# Altium PCB DigitalLabBoard - Save.PcbDoc (part 1 of 2) (continued)
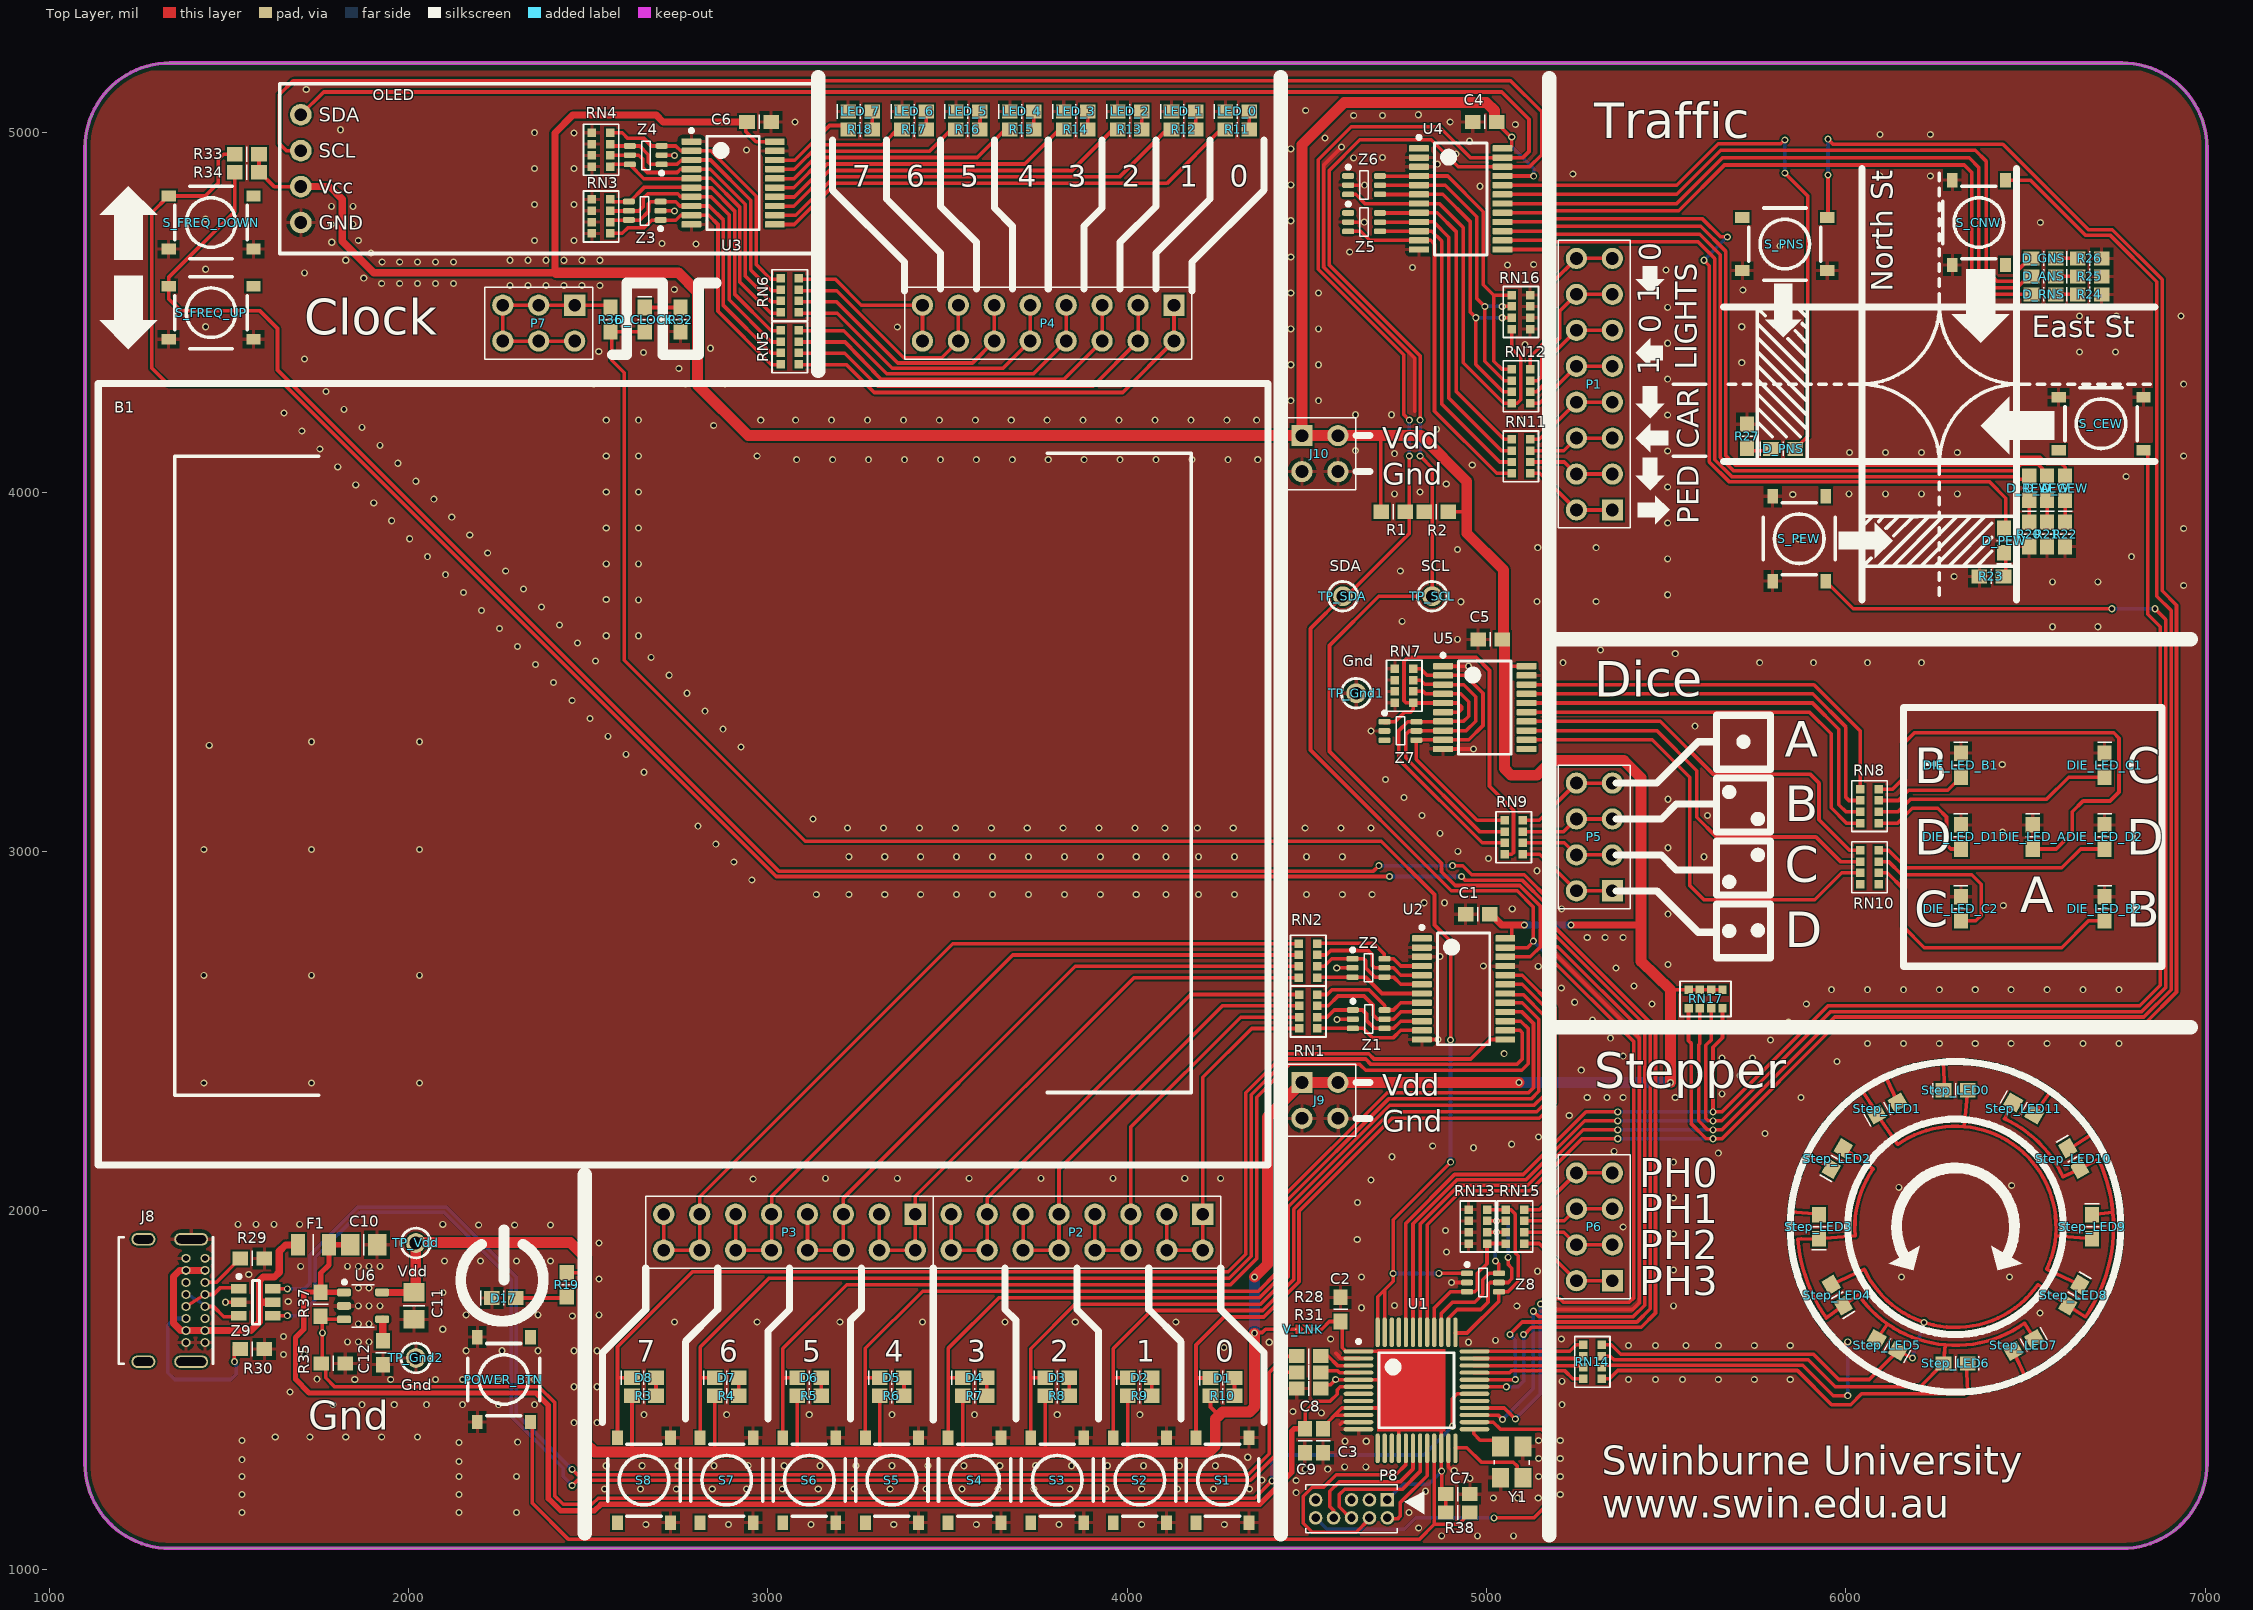
[diagram p0: Top Layer view]
## Components (designator, comment, footprint, x,y, rotation, side; value= is the part's Value field where it differs from the comment) (continued)
S_CEW "SMD-SW-4_5.1x5.1x2.0" SMD-SW-4_5.1x5.1x2.0 6710,4190 r180 top
S_CNW "SMD-SW-4_5.1x5.1x2.0" SMD-SW-4_5.1x5.1x2.0 6370,4750 r270 top
S_FREQ_DOWN "SMD-SW-4_5.1x5.1x3.5" SMD-SW-4_5.1x5.1x3.5 1450,4750 r180 top
S_FREQ_UP "SMD-SW-4_5.1x5.1x3.5" SMD-SW-4_5.1x5.1x3.5 1450,4499.06 r180 top
S_PEW "SMD-SW-4_5.1x5.1x2.0" SMD-SW-4_5.1x5.1x2.0 5870,3870 r90 top
S_PNS "SMD-SW-4_5.1x5.1x2.0" SMD-SW-4_5.1x5.1x2.0 5830,4690 r0 top
Step_LED0 "LED Red" LED1608-0603-RED 6305,2335 r180 top
Step_LED1 "LED Red" LED1608-0603-RED 6115,2284.09 r210 top
Step_LED2 "LED Red" LED1608-0603-RED 5975.91,2145 r240 top
Step_LED3 "LED Red" LED1608-0603-RED 5925,1955 r270 top
Step_LED4 "LED Red" LED1608-0603-RED 5975.91,1765 r300 top
Step_LED5 "LED Red" LED1608-0603-RED 6115,1625.91 r330 top
Step_LED6 "LED Red" LED1608-0603-RED 6305,1575 r0 top
Step_LED7 "LED Red" LED1608-0603-RED 6495,1625.91 r30 top
Step_LED8 "LED Red" LED1608-0603-RED 6634.09,1765 r60 top
Step_LED9 "LED Red" LED1608-0603-RED 6685,1955 r90 top
Step_LED10 "LED Red" LED1608-0603-RED 6634.09,2145 r120 top
Step_LED11 "LED Red" LED1608-0603-RED 6495,2284.09 r150 top
TP_Gnd1 "Gnd" "PCBPIN - 0.9mm" 4637.22,3440 r90 top
TP_Gnd2 "Gnd" "PCBPIN - 0.9mm" 2020,1590 r0 top
TP_SCL "SCL" "PCBPIN - 0.9mm" 4848.78,3710 r90 top
TP_SDA "SDA" "PCBPIN - 0.9mm" 4600,3710 r90 top
TP_Vdd "Vdd" "PCBPIN - 0.9mm" 2020,1910 r90 top
U1 "MK20DX128VLF5" TSQFP50P900X900-48M 4805,1500 r0 top locked
U2 "PCA9555PW,118" TSSOP24_N 4936,2617 r270 top
U3 "74HC541PW,118" TSSOP20_N 2903,4860 r270 top
U4 "PCA9555PW,118" TSSOP24_N 4928,4815.55 r270 top
U5 "74HC541PW,118" TSSOP20_N 4995,3400 r270 top
U6 "SPX3819M5-L-3-3/TR" SOT23-5 1873.15,1735 r270 top
V_LNK "LinkOpen" SOLDERBRIDGE(OPEN) 4490,1670 r0 top
Y1 "16 MHz" Crystal_SMD_3.2x2.5 5070,1300 r90 top
Z1 "SMF05CT1G" SC70_N 4672,2532.82 r0 top
Z2 "SMF05CT1G" SC70_N 4671.29,2675.59 r0 top
Z3 "SMF05CT1G" SC70_N 2657,4782.76 r180 top
Z4 "SMF05CT1G" SC70_N 2660,4937.48 r180 top
Z5 "SMF05CT1G" SC70_N 4659,4751 r0 top
Z6 "SMF05CT1G" SC70_N 4659,4854 r0 top
Z7 "SMF05CT1G" SC70_N 4760,3335 r0 top
Z8 "SMF05CT1G" SC70_N 4990,1800 r0 top
Z9 "USBLC6-2SC6" SOT23-6_N 1575,1745 r0 top

## Footprints (in the part's own frame and the unit in brackets; to place one, negate y for a bottom-side part, rotate by r counter-clockwise, add the part's x,y. Pads: shape width x height; smd on the part's side, far side on the other; paste and mask are expansions set on the pad)
BCS-102-L-D-TE [mm] "Connector; Header; 2x2 Position; Straight"
  rect 1.5x1.5 hole 0.9: 1(0,0)
  round 1.5 hole 0.9: 2(0,2.54) 3(2.54,0) 4(2.54,2.54)
  silkscreen extent -1.27,-1.27 3.81,3.81, body extent -1.27,-1.27 3.81,3.81, height 7.37
"BREADBOARD - 300 HOLES" [mil] "Breadboard - 300 holes"
  silkscreen extent -1625,-1075 1630,1100, body extent -1625,-1070 1625,1100, height 355
BUMPER_RBS-2 [mil] "Plastic bumper/foot"
  silkscreen extent -215,-215 214,215, body extent -219,-219 219,219, height 201
CCNP1608-0603 [mm]
  rect 1.1x1 smd: 1(-0.85,0) 2(0.85,0)
  silkscreen extent 0,-0.5 0,0.5, body extent -0.8,-0.4 0.8,0.4, height 0.3
CCNP2012-0805 [mm]
  rect 1.3x1.5 smd: 1(-0.95,0) 2(0.95,0)
  silkscreen extent 0,-0.75 0,0.75, body extent -1,-0.62 1,0.63, height 0.78
CR1206-0603_X4 [mm] "SMT 0603 x 4 Ceramic resistor array (1206)"
  rect 0.6x0.6 smd: 1(0,0) 2(0.8,0) 3(1.6,0) 4(2.4,0) 5(2.4,1.3) 6(1.6,1.3) 7(0.8,1.3) 8(0,1.3)
  silkscreen extent -0.6,-0.6 3,1.9, body extent -0.38,-0.17 2.82,1.43, height 0.5
CR1608-0603 [mm]
  rect 1.1x1 smd: 1(-0.85,0) 2(0.85,0)
  silkscreen extent 0,-0.53 0,0.53, body extent -0.85,-0.4 0.85,0.4, height 0.56
Crystal_SMD_3.2x2.5 [mm] "Crystal SMT low profile 3.2 x 2.5 SMD"
  rect 1.4x1.2 smd: 1(-1.1,-0.8) 2(1.1,-0.8) 3(1.1,0.8) 4(-1.1,0.8)
  silkscreen extent -0.17,-1.25 0.15,1.25, body extent -1.55,-1.24 1.65,1.26, height 0.7
HDR2X3S [mm] "Connector; Header; 2x3 Position; Straight"
  rect 1.5x1.5 hole 0.9: 1(0,0)
  round 1.5 hole 0.9: 2(0,2.54) 3(2.54,0) 4(2.54,2.54) 5(5.08,0) 6(5.08,2.54)
  silkscreen extent -1.27,-1.27 6.35,3.81, body extent -1.27,-1.27 6.35,3.81, height 6
HDR2X4S [mm] "Connector; Header; 2x4 Position; Straight"
  rect 1.5x1.5 hole 0.9: 1(0,0)
  round 1.5 hole 0.9: 2(0,2.54) 3(2.54,0) 4(2.54,2.54) 5(5.08,0) 6(5.08,2.54) 7(7.62,0) 8(7.62,2.54)
  silkscreen extent -1.27,-1.27 8.89,3.81, body extent -1.27,-1.27 8.89,3.81, height 6
HDR2X8S [mm] "Connector; Header; 2x8 Position; Straight"
  rect 1.5x1.5 hole 0.9: 1(0,0)
  round 1.5 hole 0.9: 2(0,2.54) 3(2.54,0) 4(2.54,2.54) 5(5.08,0) 6(5.08,2.54) 7(7.62,0) 8(7.62,2.54) 9(10.16,0) 10(10.16,2.54) 11(12.7,0) 12(12.7,2.54) 13(15.24,0) 14(15.24,2.54) 15(17.78,0) 16(17.78,2.54)
  silkscreen extent -1.27,-1.27 19.05,3.81, body extent -1.27,-1.27 19.05,3.81, height 6
LED1608-0603-GREEN [mm] "SMT-LED 0603"
  rect 1.1x1 smd: A(-0.85,0) K(0.85,0)
  silkscreen extent 0,-0.5 1.62,0.5, body extent -0.8,-0.4 0.8,0.4, height 0.7
LED1608-0603-RED [mm] "SMT-LED 0603"
  rect 1.1x1 smd: A(-0.85,0) K(0.85,0)
  silkscreen extent 0,-0.5 1.62,0.5, body extent -0.8,-0.4 0.8,0.4, height 0.7
LED1608-0603-YELLOW [mm] "SMT-LED 0603"
  rect 1.1x1 smd: A(-0.85,0) K(0.85,0)
  silkscreen extent 0,-0.5 1.62,0.5, body extent -0.8,-0.4 0.8,0.4, height 0.7
OLED_Display_128x32 [mil] "Small OLED Display"
  round 60 hole 35.43: 1(0,-300) 2(0,-200) 3(0,-100) 4(0,0)
  silkscreen extent -59,-386 1437,86, body extent -61,-388 1437,86, height 157
OSHW [mil] "OSHW Logo"
"PCBPIN - 0.9mm" [mm]
  round 1.4 hole 0.9: 1(0,0)
  silkscreen extent -1.05,-1.05 1.05,1.05, body extent -1.27,-1.27 1.27,1.27, height 6
SC70_N [mm] "SC70, 6-Leads, Body 2.15x1.4mm, Pitch 0.65mm, IPC Medium Density"
  rrect50% 0.85x0.4 smd: 1(-1.125,0.65) 2(-1.125,0) 3(-1.125,-0.65) 4(1.125,-0.65) 5(1.125,0) 6(1.125,0.65)
  silkscreen extent -1.24,-0.99 0.3,1.39, body extent -1.2,-1.1 1.2,1.1, height 1.1
SMD0805-050 [mm]
  rect 1x1.5 smd: 1(-1.1,0) 2(1.1,0)
  silkscreen extent 0,-0.75 0,0.75, body extent -1.05,-0.68 1.05,0.68, height 0.61
SMD-SW-4_5.1x5.1x2.0 [mil] "Miniature SMD PCB Push Button - C318888"
  rect 40x30 smd: 1(118.11,-73.82) 1b(-118.11,-73.82) 2(118.11,73.82) 2b(-118.11,73.82)
  silkscreen extent -100,-100 100,100, body extent -126,-104 126,104, height 79
SMD-SW-4_5.1x5.1x3.5 [mil] "Miniature SMD PCB Push Button - C318886"
  rect 40x30 smd: 1(118.11,-73.82) 1b(-118.11,-73.82) 2(118.11,73.82) 2b(-118.11,73.82)
  silkscreen extent -100,-100 100,100, body extent -126,-104 126,104, height 138
SOLDERBRIDGE(OPEN) [mil]
  round 5 smd paste-5 mask+0: 1(-21,0) 2(21,0)
  Top Layer region: -21,13 -12,13 1,0 -12,-13 -21,-13
  Top Layer region: -2.5,13 10.5,0 -2.5,-13 21,-13 21,13
SOT23-5 [mm] "SOT-23; 5 Leads; Body 3.0 x 2.3 mm, inc. leads (LxW max)"
  rrect50% 0.55x1 smd: 1(-0.95,-1.35) 2(0,-1.35) 3(0.95,-1.35) 4(0.95,1.35) 5(-0.95,1.35)
  silkscreen extent -1.8,-1.45 1.5,0.8, body extent -1.5,-1.5 1.5,1.5, height 1.45
SOT23-6_N [mm] "SOT23, 6-Leads, Body 2.9x1.6mm, Pitch 0.95mm, Lead Span 2.7mm, IPC Medium Density"
  rect 1.1x0.65 smd: 1(-1.2,0.95) 2(-1.2,0) 3(-1.2,-0.95) 4(1.2,-0.95) 5(1.2,0) 6(1.2,0.95)
  silkscreen extent -1.32,-1.55 0.25,1.95, body extent -1.4,-1.45 1.4,1.45, height 1.45
SWD-2X5 [mm] "Connector; SWD; 2x5 Position"
  rect 0.96x0.96 hole 0.6: 1(0,0)
  round 0.96 hole 0.6: 2(0,1.27) 3(1.27,0) 4(1.27,1.27) 5(2.54,0) 6(2.54,1.27) 8(3.81,1.27) 9(5.08,0) 10(5.08,1.27)
  silkscreen extent -2.6,-1.06 5.77,2.33, body extent -0.63,-1.09 5.72,2.31, height 4.5
TSQFP50P900X900-48M [mm] "Thin QFP, 48-Leads, Body 7x7mm, Pitch 0.5mm, IPC Low Density"
  oval 2.1x0.3 smd: 1(-4.1,2.75) 2(-4.1,2.25) 3(-4.1,1.75) 4(-4.1,1.25) 5(-4.1,0.75) 6(-4.1,0.25) 7(-4.1,-0.25) 8(-4.1,-0.75) 9(-4.1,-1.25) 10(-4.1,-1.75) 11(-4.1,-2.25) 12(-4.1,-2.75) 25(4.1,-2.75) 26(4.1,-2.25) 27(4.1,-1.75) 28(4.1,-1.25) 29(4.1,-0.75) 30(4.1,-0.25) 31(4.1,0.25) 32(4.1,0.75) 33(4.1,1.25) 34(4.1,1.75) 35(4.1,2.25) 36(4.1,2.75)
  oval 0.3x2.1 smd: 13(-2.75,-4.1) 14(-2.25,-4.1) 15(-1.75,-4.1) 16(-1.25,-4.1) 17(-0.75,-4.1) 18(-0.25,-4.1) 19(0.25,-4.1) 20(0.75,-4.1) 21(1.25,-4.1) 22(1.75,-4.1) 23(2.25,-4.1) 24(2.75,-4.1) 37(2.75,4.1) 38(2.25,4.1) 39(1.75,4.1) 40(1.25,4.1) 41(0.75,4.1) 42(0.25,4.1) 43(-0.25,4.1) 44(-0.75,4.1) 45(-1.25,4.1) 46(-1.75,4.1) 47(-2.25,4.1) 48(-2.75,4.1)
  silkscreen extent -4.22,-2.65 2.65,3.57, body extent -4.55,-4.5 4.45,4.5, height 1.6
TSSOP20_N [mm] "Shrink Small Outline; 20 Leads; Body Width 4.4 mm; Pitch 0.65 mm"
  rrect22% 0.45x1.4 smd: 1(-2.925,-2.95) 2(-2.275,-2.95) 3(-1.625,-2.95) 4(-0.975,-2.95) 5(-0.325,-2.95) 6(0.325,-2.95) 7(0.975,-2.95) 8(1.625,-2.95) 9(2.275,-2.95) 10(2.925,-2.95) 11(2.925,2.95) 12(2.275,2.95) 13(1.625,2.95) 14(0.975,2.95) 15(0.325,2.95) 16(-0.325,2.95) 17(-0.975,2.95) 18(-1.625,2.95) 19(-2.275,2.95) 20(-2.925,2.95)
  silkscreen extent -3.82,-3.07 3.3,1.85, body extent -3.3,-3.3 3.3,3.3, height 1.2
TSSOP24_N [mm] "Shrink Small Outline; 24 Leads; Body Width 4.4 mm; Pitch 0.65 mm"
  rrect22% 0.45x1.4 smd: 1(-3.575,-2.95) 2(-2.925,-2.95) 3(-2.275,-2.95) 4(-1.625,-2.95) 5(-0.975,-2.95) 6(-0.325,-2.95) 7(0.325,-2.95) 8(0.975,-2.95) 9(1.625,-2.95) 10(2.275,-2.95) 11(2.925,-2.95) 12(3.575,-2.95) 13(3.575,2.95) 14(2.925,2.95) 15(2.275,2.95) 16(1.625,2.95) 17(0.975,2.95) 18(0.325,2.95) 19(-0.325,2.95) 20(-0.975,2.95) 21(-1.625,2.95) 22(-2.275,2.95) 23(-2.925,2.95) 24(-3.575,2.95)
  silkscreen extent -4.47,-3.07 3.95,1.85, body extent -3.95,-3.28 3.95,3.28, height 1.2
USB4085-GF-A [mm] "USB-C Connector"
  oval 0.65x0.62 hole 0.4: A1(4.025,2.975) A4(4.025,2.125) A5(4.025,1.275) A6(4.025,0.425) A7(4.025,-0.425) A8(4.025,-1.275) A9(4.025,-2.125) A12(4.025,-2.975) B1(2.675,-2.975) B4(2.675,-2.125) B5(2.675,-1.275) B6(2.675,-0.425) B7(2.675,0.425) B8(2.675,1.275) B9(2.675,2.125) B12(2.675,2.975)
  oval 2.4x0.9 hole 0.6 slot 2.1 at 0 deg: P1(3.045,4.325) P2(3.045,-4.325)
  oval 1.7x0.9 hole 0.6 slot 1.4 at 0 deg: P3(-0.335,-4.325) P4(-0.335,4.325)
  silkscreen extent -2.07,-4.47 4.58,4.47, body extent -4.56,-4.52 4.61,4.51, height 3.46

## Part data
B1: library part "Breadboard - 300 holes"
C1 C2 C3 C4 C5 C6 C7: library part Cap_CCNP_0603, "Capacitor non-polar SMT 0603", LCSC=C14663, Manufacturer="Generic Components", Class=Passive, Published=08/06/2000, Publisher="Altium Hobart Technology Centre", SubClass=Capacitor
C8: library part Cap, "Capacitor", LCSC=C23630, Manufacturer="Generic Components", Class=Passive, Published=08/06/2000, Publisher="Altium Hobart Technology Centre", SubClass=Capacitor
C9: library part Cap, "Capacitor", LCSC=C15849, Manufacturer="Generic Components", Class=Passive, Published=08/06/2000, Publisher="Altium Hobart Technology Centre", SubClass=Capacitor
C10 C11: library part Cap, "Capacitor", LCSC=C15850, Manufacturer="Generic Components", Class=Passive, Published=08/06/2000, Publisher="Altium Hobart Technology Centre", SubClass=Capacitor
C12: library part Cap, "Capacitor", LCSC=C57112, Manufacturer="Generic Components", Class=Passive, Published=08/06/2000, Publisher="Altium Hobart Technology Centre", SubClass=Capacitor
D1 D2 D3 D4 D5 D6 D7 D8 D17 D_CLOCK D_REW D_RNS DIE_LED_A DIE_LED_B1 DIE_LED_B2 DIE_LED_C1 DIE_LED_C2 DIE_LED_D1 DIE_LED_D2 LED_0 LED_1 LED_2 LED_3 LED_4 LED_5 LED_6 LED_7 Step_LED0 Step_LED1 Step_LED2 Step_LED3 Step_LED4 Step_LED5 Step_LED6 Step_LED7 Step_LED8 Step_LED9 Step_LED10 Step_LED11: library part LED-0603-Red, "LED 0603 Red", LCSC=C2286, Manufacturer="Generic Components", Class I=Optoelectronic, Class II=LED, Farnell PN=1581239, Published=8-Jun-2000, Publisher="Altium Limited", Revision="July-2002: Re-released for DXP Platform."
D_AEW D_ANS: library part LED-0603-Yellow, "LED 0603 Yellow", LCSC=C72038, Manufacturer="Generic Components", Class I=Optoelectronic, Class II=LED, Farnell PN=5790852, Published=8-Jun-2000, Publisher="Altium Limited", Revision="July-2002: Re-released for DXP Platform."
D_GEW D_GNS D_PEW D_PNS: library part LED-0603-Green, "LED 0603 Green", LCSC=C72043, Manufacturer="Generic Components", Class I=Optoelectronic, Class II=LED, Farnell PN=1581242, Published=8-Jun-2000, Publisher="Altium Limited", Revision="July-2002: Re-released for DXP Platform."
F1: "PTC Resetable Fuse 0805 0.5A hold", LCSC=C66452
J8: "USB-C, USB 2.0 Receptacle Connector 16 Position Through Hole, Right Angle", Digikey Part Number=2073-USB4085-GF-ACT-ND, Angle=90, Digikey=2073-USB4085-GF-ACT-ND, Digikey Link=https://www.digikey.ee/product-detail/en/gct/USB4085-GF-A/2073-USB4085-GF-ACT-ND/9859733, Farnell PN=2924867, Part Number=USB4085-GF-A
J9 J10: library part "Header Female 2x2S", "Header, Female, 2x2-Pin"
M5 M6 M7 M8 M9: library part Mounting_Feet, "Plastic bumper/foot", Digikey=RPC4821-ND
OLED: "OLED Display 128x32 pixels, I2C interface"
P8: library part SWD2X5, Farnell PN=1865285, LatestRevisionDate=17-Jul-2002, LatestRevisionNote="Re-released for DXP Platform.", Publisher="Altium Limited"
POWER_BTN S_FREQ_DOWN S_FREQ_UP: library part SW_PB-TS, "Tactile Switch SPST 5.10mm X 5.10mm", LCSC=C318886, Revision=1.0
R1 R2: library part Res_CR0603, "Resistor SMT 0603", LCSC=C23162, Manufacturer="Generic Components", Class=Passive, Published=08/06/2000, Publisher="Altium Hobart Technology Centre", SubClass=Resistor
R3 R4 R5 R6 R7 R8 R9 R10 R11 R12 R13 R14 R15 R16 R17 R18 R19 R20 R22 R23 R24 R26 R27 R32: library part Res_CR0603, "Resistor SMT 0603", LCSC=C21190, Manufacturer="Generic Components", Class=Passive, Published=08/06/2000, Publisher="Altium Hobart Technology Centre", SubClass=Resistor
R21 R25: library part Res_CR0603, "Resistor SMT 0603", LCSC=C23204, Manufacturer="Generic Components", Class=Passive, Published=08/06/2000, Publisher="Altium Hobart Technology Centre", SubClass=Resistor
R28 R31: library part Res_CR0603, "Resistor SMT 0603", LCSC=C23140, Manufacturer="Generic Components", Class=Passive, Published=08/06/2000, Publisher="Altium Hobart Technology Centre", SubClass=Resistor
R29 R30: library part Res_CR0603, "Resistor SMT 0603", LCSC=C23186, Manufacturer="Generic Components", Class=Passive, Published=08/06/2000, Publisher="Altium Hobart Technology Centre", SubClass=Resistor
R33 R34 R37 R38: library part Res_CR0603, "Resistor SMT 0603", LCSC=C25804, Manufacturer="Generic Components", Class=Passive, Published=08/06/2000, Publisher="Altium Hobart Technology Centre", SubClass=Resistor
R35: library part Res_CR0603, "Resistor SMT 0603", LCSC=C22809, Manufacturer="Generic Components", Class=Passive, Published=08/06/2000, Publisher="Altium Hobart Technology Centre", SubClass=Resistor
R36: library part Res_CR0603, "Resistor SMT 0603", LCSC=C22775, Manufacturer="Generic Components", Class=Passive, Published=08/06/2000, Publisher="Altium Hobart Technology Centre", SubClass=Resistor
RN1 RN2 RN5 RN6 RN9 RN11 RN12 RN14 RN15: library part Res_CR0603x4, "SMT x4 Resistor Array", LCSC=C25510, Class=Passive, SubClass="Resistor Array"
RN3 RN4 RN7 RN13 RN16 RN17: library part Res_CR0603x4, "SMT x4 Resistor Array", LCSC=C29718, Class=Passive, SubClass="Resistor Array"
RN8 RN10: library part Res_CR0603x4, "SMT x4 Resistor Array", LCSC=C20197, Class=Passive, SubClass="Resistor Array"
S1 S2 S3 S4 S5 S6 S7 S8 S_CEW S_CNW S_PEW S_PNS: library part SW_PB-TS, "Tactile Switch SPST 5.10mm X 5.10mm", LCSC=C318888, Revision=1.0
TP_Gnd1 TP_Gnd2 TP_SCL TP_SDA TP_Vdd: library part TP, "Test Point"
U1: "Kinetis K20: 50MHz Cortex-M4 Performance MCU, 160KB Flash, 16KB SRAM, Full-Speed USB, 48-LQFP", Digikey=MK20DX128VLF50-ND, Farnell PN=2133571, Mouser=841-MK20DX128VLF5
U2 U4: "16-bit I2C I/O Expander (TSSOP24)", LCSC=C128392, Digikey=568-1058-1-ND, Farnell PN=2101299
U3 U5: "Octal 3-State Buffer/Line Driver/LineReceiver", LCSC=C5657, Digikey=1727-5960-1-ND, Farnell PN=2444902
U6: "3.3V LDO with enable", LCSC=C9055, Digikey=1016-1873-1-ND, Farnell PN=2889625
Y1: library part "Crystal 16MHz", "Crystal SMD 3.2 x 2.5 x 0.7 mm", LCSC=C13738, Manufacturer="Generic Components", Class=Oscillator, Published=08/06/2000, Publisher="Altium Hobart Technology Centre", SubClass="Crystal Oscillator"
Z1 Z2 Z3 Z4 Z5 Z6 Z7 Z8: "TVS DIODE ARRAY, 100W, 5V, SC-70", LCSC=C15879, Digikey=SMF05CT1GOSCT-ND, Farnell PN=2533147
Z9: "TVS diode array for USB", LCSC=C7519, Digikey=497-5235-1-ND, Farnell PN=1269406

## Via types
v1: diameter 19.68, hole 11.81, Top Layer to Bottom Layer, tented both sides, 694 vias

## Nets (pads, with @x,y where several pads share a name; then routed paths per layer and width w, separated by ;. In a path a pad name is that pad's centre, name@x,y a point inside that pad or via, vN(x,y) a via of type N, cw(c..) or ccw(c..) an arc to the next point about the centre after c; other vN are vias at no path point)
5V: F1.1 J8.A4 J8.A9 J8.B4 J8.B9 Z9.5 | length 809.8
  Top Layer w20: J8.A4@1433.46,1833.66 J8.B9@1380.32,1833.66 1362.32,1833.66 1345.74,1817.08 1345.74,1686.55 1365.95,1666.34 J8.B4@1380.32,1666.34 J8.A9@1433.46,1666.34 1561.34,1666.34 1585,1690 1585,1805 1595,1815 1626.32,1815 1640,1828.68 1640,1887.19 1657.47,1904.66 ; 1590,1745 Z9.5@1622.24,1745 ; 1662.47,1904.66 1690,1904.66 1691.69,1902.97 F1.1@1691.69,1905
5V_Fused: C9.2 C10.2 F1.2 R37.2 U1.6 U6.1 | length 4068.1
  Top Layer w10: C9.2@4495,1393.46 4495,1440 4525,1470 4565,1470 4584,1489 4584,1501 4592.84,1509.84 U1.6@4643.58,1509.84
  Top Layer w15: R37.2@1755,1773.46 1708.46,1773.46 1708.46,1670 1685,1646.54 1685,1530.97 1723.31,1492.66 2354.67,1492.66 2389.04,1458.29 2389.04,1198.72 2422.75,1165 2517.25,1165 2534.75,1182.5 4368.58,1182.5 4457.99,1271.91 4457.99,1386.46 4465,1393.46 C9.2@4495,1393.46 ; U6.1@1820,1772.4 1761.06,1772.4 1755.12,1778.35 1755.12,1825.81 1778.31,1849 F1.2@1778.31,1905 C10.2@1837.6,1905
C_PLEX0: RN14.8 U1.33 | length 315.4
  Top Layer w10: U1.33@4964.45,1549.21 U1.33@4966.42,1549.21 5064.21,1549.21 5068.9,1553.9 5218.1,1553.9 5239.99,1532.01 RN14.8@5268.82,1532.01
C_PLEX1: RN14.7 U1.34 | length 299
  Top Layer w10: U1.34@4964.45,1568.9 U1.34@4966.42,1568.9 RN14.7@5263.43,1568.9
C_PLEX2: RN14.6 U1.35 | length 307.4
  Top Layer w10: U1.35@4964.71,1588.84 4964.45,1588.58 U1.35@4966.42,1588.58 5262.4,1588.58 RN14.6@5268.82,1595
C_PLEX3: RN14.5 U1.36 | length 311.9
  Top Layer w10: U1.36@4964.45,1608.27 U1.36@4966.42,1608.27 5231.46,1608.27 5249.69,1626.5 RN14.5@5268.82,1626.5
CAR_EW_BTN: RN17.8 S_CEW.2b U1.44 | length 4485.7
  Top Layer w10: U1.44@4775.47,1661.42 4775.47,1965.11 4910.86,2100.5 5102.35,2100.5 5276.85,2275 v1(5365,2275) ; RN17.8@5656.5,2563.82 5656.5,2481.5 5630,2455 v1(5630,2275) 5655,2275 5950,2570 6817.79,2570 6875,2627.21 6875,3625 6840,3660 6840,4104.29 S_CEW.2b@6828.11,4116.18
  Bottom Layer w10: v1(5365,2275) v1(5630,2275)
CAR_NS_BTN: RN17.6 S_CNW.2b U1.42 | length 5547
  Top Layer w10: U1.42@4814.84,1661.42 4814.84,1962.06 4923.29,2070.5 5114.77,2070.5 5269.27,2225 v1(5365,2225) ; RN17.6@5593.5,2563.82 5593.5,2464.72 5590,2461.21 5590,2250 5615,2225 v1(5630,2225) 5655,2225 5969,2539 6829.21,2539 6905,2614.79 6905,3670 6865,3710 6865,4585 6735,4715 6666,4715 6512.89,4868.11 S_CNW.2b@6448.82,4868.11
  Bottom Layer w10: v1(5365,2225) v1(5630,2225)
CLOCK: D_CLOCK.A R36.2 U1.47 U1.48 Z8.1 | length 5199.6
  Top Layer w10: R36.2@2562,4446.54 R36.2@2565.54,4446.54 ; D_CLOCK.A@2657,4446.54 R36.2@2565.54,4446.54 ; U1.48@4696.73,1659.45 U1.48@4696.73,1661.42 4696.73,1760.32 4716.42,1780 ; U1.47@4716.42,1659.45 U1.47@4716.42,1661.42 4716.42,1780 ; v1(4867,1825.59) Z8.1@4945.71,1825.59 ; v1(4899.41,2475) 4900,2475.59 4900,2750 4855,2795 4855,2880 4707,3028 3104,3028 2600,3532 2600,4332 2565.54,4366.46 R36.2@2565.54,4446.54 ; v1(4900,2135) 4740,1975 v1(4740,1825) 4740,1803.58 4716.42,1780
  Bottom Layer w10: v1(4740,1825) 4865.59,1825 4866.59,1826 v1(4867,1825.59) ; v1(4899.41,2475) 4899.41,2135.59 v1(4900,2135)
CP_0: RN14.1 Step_LED0.K Step_LED1.A Step_LED6.K Step_LED7.A Step_LED10.K Step_LED11.A | length 3167.5
  Top Layer w10: RN14.1@5320,1532.01 5341.81,1532.01 5364.8,1555 5865,1555 5960,1460 6013.54,1460 6043.54,1490 6332.55,1490 6338.61,1496.06 ; Step_LED1.A@6143.98,2300.82 6110.77,2372.15 cw(c6305,1955) 6271.39,2413.94 ; Step_LED0.K@6275.54,2335.21 6271.39,2413.94 ; Step_LED6.K@6334.46,1574.79 6338.61,1496.06 ; Step_LED7.A@6466.02,1609.18 6499.23,1537.85 ; Step_LED11.A@6523.98,2267.36 6569.15,2331.78 ; Step_LED10.K@6619.54,2170.62 6685.65,2213.57 ; 6271.39,2413.94 cw(c6305,1955) 6685.65,2213.57 ; 6338.61,1496.06 ccw(c6305,1955) 6685.65,2213.57
CP_1: RN14.2 Step_LED0.A Step_LED1.K Step_LED2.K Step_LED3.A Step_LED8.K Step_LED9.A | length 3112.8
  Top Layer w10: RN14.2@5320,1563.5 5326.5,1570 5880,1570 5965,1485 v1(6005,1485) ; 5846.63,1997.37 5846.79,1997.35 ; Step_LED3.A@5925,1990.46 5846.79,1997.35 ; Step_LED2.K@5961,2119.59 5890.74,2155.36 ; v1(6005,1635) 5990.08,1620.08 5990.08,1619.47 cw(c6305,1955) 5846.79,1997.35 ; Step_LED1.K@6086.02,2267.36 6144.27,2184.27 cw(c6305,1955) 6329.56,2233.92 ; Step_LED1.K@6087.38,2269.54 6045.04,2334.7 ccw(c6305,1955) 5890.74,2155.36 ; Step_LED0.A@6338.46,2335 6329.56,2233.92 ; 6605.31,1928.55 6583.92,1930.44 ; Step_LED8.K@6650.82,1793.98 6558.83,1836.81 ccw(c6305,1955) 6583.92,1930.44 ; Step_LED9.A@6685,1921.54 6583.92,1930.44 ; 5846.79,1997.35 cw(c6305,1955) 5890.74,2155.36 ; 6329.56,2233.92 cw(c6305,1955) 6583.92,1930.44
  Bottom Layer w10: v1(6005,1485) v1(6005,1635)
CP_2: RN14.3 Step_LED2.A Step_LED3.K Step_LED4.K Step_LED5.A Step_LED6.A Step_LED7.K | length 2506.4
  Top Layer w10: RN14.3@5320,1595 5344.46,1595 5354.46,1585 5895,1585 5970,1510 6206.54,1510 Step_LED6.A@6271.54,1575 6276.05,1626.27 ; 5876.15,1921.45 5866.34,1920.67 ; Step_LED2.A@5992.64,2173.98 6075.73,2115.73 ccw(c6305,1955) 6026.08,1930.44 Step_LED3.K@5925,1921.54 5866.34,1920.67 ; Step_LED5.A@6086.02,1642.64 6115.57,1684.79 ; Step_LED7.K@6525.98,1640.64 6524.38,1642.92 6497.25,1686.78 cw(c6305,1955) 6276.05,1626.27 ; 5866.34,1920.67 ccw(c6305,1955) 5945.71,1701.01 Step_LED4.K@5992.64,1736.02 6034.79,1765.57 ccw(c6305,1955) 6115.57,1684.79 ; 6115.57,1684.79 ccw(c6305,1955) 6276.05,1626.27
CP_3: RN14.4 Step_LED4.A Step_LED5.K Step_LED8.A Step_LED9.K Step_LED10.A Step_LED11.K | length 2810.3
  Top Layer w10: RN14.4@5320,1626.5 5346.89,1626.5 5373.39,1600 5910,1600 5980,1530 6064.8,1530 Step_LED5.K@6143.98,1609.18 v1(6185,1590) ; Step_LED4.A@5959.18,1793.98 6051.17,1836.81 ccw(c6305,1955) 6534.27,1794.27 Step_LED8.A@6617.36,1736.02 6666.65,1704.39 ccw(c6305,1955) 6702.69,2143.27 6650.67,2116.32 6643.62,2112.67 6604.16,2094.29 ccw(c6305,1955) 6441.43,2255.48 Step_LED11.K@6466.02,2300.82 ; Step_LED4.A@5959.81,1792.76 Step_LED4.A@5962.18,1793.98 ; Step_LED9.K@6685,1988.46 6741.34,1995.92
  Bottom Layer w10: v1(6185,1590) v1(6217.51,1688.9)
DIE_I_A: P5.7 P5.8 RN9.8 | length 291.7
  Top Layer w10: RN9.8@5101.18,3086.5 5146.5,3086.5 P5.8@5250,3190 P5.7@5350,3190
DIE_I_B: P5.5 P5.6 RN9.7 | length 263.3
  Top Layer w10: RN9.7@5101.18,3055 5215,3055 P5.6@5250,3090 P5.5@5350,3090
DIE_I_C: P5.3 P5.4 RN9.6 | length 262.7
  Top Layer w10: RN9.6@5101.18,3023.5 5216.5,3023.5 P5.4@5250,2990 P5.3@5350,2990
DIE_I_D: P5.1 P5.2 RN9.5 | length 291.1
  Top Layer w10: RN9.5@5101.18,2992.01 5147.99,2992.01 P5.2@5250,2890 P5.1@5350,2890
DIE_IR_A: RN7.4 RN9.1 U5.2 U5.9 Z7.4 | length 884
  Top Layer w10: RN7.4@4796.18,3507.99 4816.57,3507.99 4835,3489.57 4882.8,3489.57 4940.43,3489.57 4990,3440 4990,3350 4950.43,3310.43 4882.8,3310.43 4805.31,3310.43 Z7.4@4804.29,3309.41 4804.29,3255.71 4973.5,3086.5 RN9.1@5050,3086.5
DIE_IR_B: RN7.3 RN9.2 U5.3 U5.8 Z7.5 | length 896.9
  Top Layer w10: RN7.3@4796.18,3476.5 4816.5,3476.5 4827.99,3465 4881.77,3465 4882.8,3463.98 4936.02,3463.98 4970,3430 4970,3362.4 4943.62,3336.02 4882.8,3336.02 4808.06,3336.02 4807.04,3335 Z7.5@4804.29,3335 4784.29,3335 4774.56,3325.27 4774.56,3260.44 4980,3055 RN9.2@5050,3055
DIE_IR_C: RN7.2 RN9.3 U5.4 U5.7 Z7.6 | length 888.1
  Top Layer w10: RN7.2@4796.18,3445 4823.39,3445 4830,3438.39 4882.8,3438.39 4928.23,3438.39 4950,3416.61 4950,3376.02 4935.6,3361.61 4882.8,3361.61 4881.77,3360.59 Z7.6@4804.29,3360.59 4780.59,3360.59 4755,3335 4755,3256.64 4988.14,3023.5 RN9.3@5050,3023.5
DIE_IR_D: RN7.1 RN9.4 U5.5 U5.6 Z7.1 | length 1274.3
  Top Layer w10: Z7.1@4715.71,3358 Z7.1@4723.07,3358 ; Z7.1@4715.71,3360.59 4745,3360.59 4771.61,3387.2 4788.22,3387.2 4796.18,3395.17 RN7.1@4796.18,3413.5 ; U5.6@4882.8,3387.2 4921.64,3387.2 4930.32,3395.88 4930.32,3402.09 4920,3412.41 4920,3412.8 4882.8,3412.8 4796.89,3412.8 RN7.1@4796.18,3413.5 ; RN9.4@5050,2992.01 5070,2992.01 5074.81,2996.82 5074.81,3114.19 5008,3181 5008,3503.18 4971.18,3540 4780.59,3540 4770,3529.41 4770,3418.99 4775.48,3413.5 RN7.1@4796.18,3413.5
DIE_LED_A: DIE_LED_A.A RN8.8 | length 1286.3
  Top Layer w10: RN8.8@6091.18,3172.99 6129.59,3172.99 6160,3203.41 6160,3299.41 6190.59,3330 6745,3330 6760,3315 6760,3165 6735,3140 6660,3140 6630,3110 6630,3051.38 6585.16,3006.54 DIE_LED_A.A@6520,3006.54
DIE_LED_B1: DIE_LED_B1.A RN8.7 | length 255.8
  Top Layer w10: RN8.7@6091.18,3141.5 6146.5,3141.5 6175,3170 6283.46,3170 DIE_LED_B1.A@6320,3206.54
DIE_LED_B2: DIE_LED_B2.A RN10.6 | length 807.4
  Top Layer w10: RN10.6@6091.18,2940 6115,2940 6160,2895 6160,2790 6218,2732 6600.46,2732 6675,2806.54 DIE_LED_B2.A@6720,2806.54
DIE_LED_C1: DIE_LED_C1.A RN8.6 | length 668.8
  Top Layer w10: RN8.6@6091.18,3110 6145,3110 6179.41,3144.41 6557.87,3144.41 6620,3206.54 DIE_LED_C1.A@6720,3206.54
DIE_LED_C2: DIE_LED_C2.A RN10.7 | length 461.1
  Top Layer w10: RN10.7@6091.18,2971.5 6118.5,2971.5 6155,2935 6350,2935 6376.54,2908.46 6376.54,2821.54 6361.54,2806.54 DIE_LED_C2.A@6320,2806.54
DIE_LED_D1: DIE_LED_D1.A RN8.5 | length 338.1
  Top Layer w10: RN8.5@6091.18,3078.5 6143.5,3078.5 6185,3120 6255.54,3120 6280,3095.54 6280,3018.61 6292.08,3006.54 DIE_LED_D1.A@6320,3006.54
DIE_LED_D2: DIE_LED_D2.A RN10.8 | length 670.9
  Top Layer w10: RN10.8@6091.18,3002.99 6118.73,3002.99 6167.72,2954 6601.01,2954 6653.54,3006.54 DIE_LED_D2.A@6720,3006.54
DIE_R_A: RN8.1 U5.18 | length 1148.2
  Top Layer w10: U5.18@5107.2,3463.98 5911.02,3463.98 6040,3335 RN8.1@6040,3172.99
DIE_R_B1: RN8.2 U5.17 | length 1170.5
  Top Layer w10: U5.17@5107.2,3438.39 5907.44,3438.39 6000,3345.83 6000,3150 6008.5,3141.5 RN8.2@6040,3141.5
DIE_R_B2: RN10.3 U5.12 | length 1324.8
  Top Layer w10: U5.12@5107.2,3310.43 5460.72,3310.43 5565,3206.15 5565,2905 5605,2865 5913,2865 5988,2940 RN10.3@6040,2940
DIE_R_C1: RN8.3 U5.16 | length 1181.2
  Top Layer w10: U5.16@5107.2,3412.8 5907.2,3412.8 5980,3340 5980,3130 6000,3110 RN8.3@6040,3110
DIE_R_C2: RN10.2 U5.13 | length 1159.6
  Top Layer w10: U5.13@5107.2,3336.02 5473.39,3336.02 5585,3224.41 5585,3095 5640,3040 5916.5,3040 5985,2971.5 RN10.2@6040,2971.5
DIE_R_D1: RN8.4 U5.15 | length 1181.3
  Top Layer w10: U5.15@5107.2,3387.2 5898.82,3387.2 5959,3327.02 5959,3121 6001.5,3078.5 RN8.4@6040,3078.5
DIE_R_D2: RN10.1 U5.14 | length 1141.1
  Top Layer w10: U5.14@5107.2,3361.61 5483.39,3361.61 5630,3215 5900,3215 5925,3190 5925,3087.99 6010,3002.99 RN10.1@6040,3002.99
EW_AMBER_LED: D_AEW.A U4.14 | length 2135.1
  Top Layer w10: U4.14@5061.86,4700.39 5155.99,4700.39 5172.59,4717 5593.1,4717 5650,4660.1 5650,4096.18 5687.18,4059 6469,4059 6488,4078 6534,4078 6560,4052 D_AEW.A@6560,4043.46
EW_CAR_B: P1.5 P1.6 RN11.3 | length 243.3
  Top Layer w10: RN11.3@5121.18,4115 5215,4115 P1.6@5250,4150 P1.5@5350,4150
EW_CAR_O: RN11.6 U4.9 Z5.5 | length 892.9
  Top Layer w10: Z5.5@4703.29,4751 4793.57,4751 4794.14,4751.58 4852.68,4751.58 4895,4709.25 4895,4261.54 5041.54,4115 RN11.6@5070,4115
EW_GREEN_LED_BTN: D_GEW.A U4.15 | length 2209.3
  Top Layer w10: U4.15@5061.86,4725.99 5155.99,4725.99 5170,4740 5595.56,4740 5665,4670.56 5665,4102.4 5693.4,4074 6461,4074 6484,4097 6541,4097 6559,4079 6600,4079 6610,4069 D_GEW.A@6610,4043.46
EW_LIGHTS0_B: P1.11 P1.12 RN12.2 | length 335.3
  Top Layer w10: RN12.2@5121.18,4278.5 5138.99,4278.5 5171.06,4310.57 5171.06,4371.06 P1.12@5250,4450 P1.11@5350,4450
EW_LIGHTS0_I: RN12.7 RN16.7 U4.6 Z6.4 | length 918.1
  Top Layer w10: Z6.4@4703.29,4828.02 4793.82,4828.02 4794.14,4828.35 4878.15,4828.35 4955,4751.5 4955,4500 v1(4970,4485) 4970,4355 5046.5,4278.5 RN12.7@5070,4278.5 ; v1(5043.5,4485) RN16.7@5070,4485
  Bottom Layer w10: v1(4970,4485) v1(5043.5,4485)
EW_LIGHTS1_B: P1.9 P1.10 RN12.1 | length 271.5
  Top Layer w10: RN12.1@5121.18,4247.01 5147.01,4247.01 P1.10@5250,4350 P1.9@5350,4350
EW_LIGHTS1_I: RN12.8 RN16.8 U4.7 Z6.3 | length 1152.4
  Top Layer w10: Z6.3@4614.71,4828.41 4635.59,4828.41 4661.24,4802.76 4794.14,4802.76 4868.24,4802.76 4935,4736 4935,4359.92 5047.91,4247.01 RN12.8@5070,4247.01 5085,4247.01 5095,4257.01 5095,4373.43 5070,4398.43 RN16.8@5070,4453.5
EW_PED_B: P1.1 P1.2 RN11.1 | length 271.1
  Top Layer w10: RN11.1@5121.18,4052.01 5147.99,4052.01 P1.2@5250,3950 P1.1@5350,3950
EW_PED_LED_BN: D_PEW.A U4.16 | length 2248
  Top Layer w10: U4.16@5061.86,4751.58 5155.99,4751.58 5164.41,4760 5601.01,4760 5651.01,4710 v1(5670,4710) ; v1(5605,4645) 5620,4630 5620,4083.76 5675.76,4028 6400,4028 6445,3983 D_PEW.A@6445,3893.46
  Bottom Layer w10: v1(5605,4645) v1(5670,4710)
EW_PED_O: RN11.8 U4.11 Z5.3 | length 1006.6
  Top Layer w10: Z5.3@4614.71,4725.41 4649.59,4725.41 4674.61,4700.39 4794.14,4700.39 4844.61,4700.39 4855,4690 4855,4225 5027.99,4052.01 RN11.8@5070,4052.01
EW_RED_LED: D_REW.A U4.13 | length 2062.1
  Top Layer w10: U4.13@5061.86,4674.8 5160.39,4674.8 5181.59,4696 5588.65,4696 5635,4649.65 5635,4089.97 5681.97,4043 6469,4043 6477,4035 6501.54,4035 D_REW.A@6510,4043.46
EXTAL: U1.24 Y1.1 | length 232.3
  Top Layer w10: U1.24@4913.27,1340.55 4945,1340.55 4985.55,1300 5074.18,1300 5084.93,1289.25 5084.93,1273.26 Y1.1@5101.5,1256.69
FREQ_DOWN: R34.1 S_FREQ_UP.1 U1.31 | length 6982.9
  Top Layer w10: R34.1@1516.54,4890 1516.54,4781.54 1331.89,4596.89 S_FREQ_UP.1@1331.89,4572.87 1331.89,4538.11 1365,4505 1585,4505 1635,4455 1635,4339.56 3029.56,2945 4685,2945 v1(4700,2960) ; v1(4905,2960) 4933.62,2960 4958.62,2935 5104.69,2935 5180.6,2859.1 5180.6,2797.49 5470,2508.09 5470,1715.08 5430.08,1675.16 5125.16,1675.16 v1@5103.92,1653.92 ; U1.31@4964.61,1510 4964.45,1509.84 U1.31@4966.42,1509.84 5054.84,1509.84 v1(5055,1510)
  Bottom Layer w10: v1(4700,2960) v1(4905,2960) ; v1(5055,1510) 5088.06,1510 5102.84,1524.78 v1(5102.84,1655)
FREQ_UP: R33.1 S_FREQ_DOWN.1 U1.32 | length 7180.8
  Top Layer w10: R33.1@1516.54,4940 1484.88,4940 1470,4925.12 1470,4860 1433.82,4823.82 S_FREQ_DOWN.1@1331.89,4823.82 1285,4776.93 1285,4345 1330.83,4299.17 1654.17,4299.17 3023.35,2930 v1(4730,2930) ; v1(4930,2930) 4940,2920 5098.48,2920 5165.6,2852.88 5165.6,2791.28 5455,2501.87 5455,1726.73 5418.43,1690.16 5099.18,1690.16 v1@5064.51,1655.49 ; U1.32@4964.45,1529.53 U1.32@4966.42,1529.53 5015,1529.53 5015.31,1529.84 5079.84,1529.84 v1(5080,1530)
  Bottom Layer w10: v1(4730,2930) v1(4930,2930) ; v1(5065,1655) 5080,1640 v1(5080,1530)